# Altium PCB MB1635.PcbDoc (part 9 of 10)
Units mm, origin at the board's own origin, x right, y up, seen from the top; angles counter-clockwise.
Board outline 127 x 97 mm, 6 copper layers (Top Layer, Signal Layer 1, Signal Layer 2, Signal Layer 3, Signal Layer 4, Bottom Layer), stack 1.557 mm thick; 593 components, 478 nets, 2435 pads, 1743 vias.
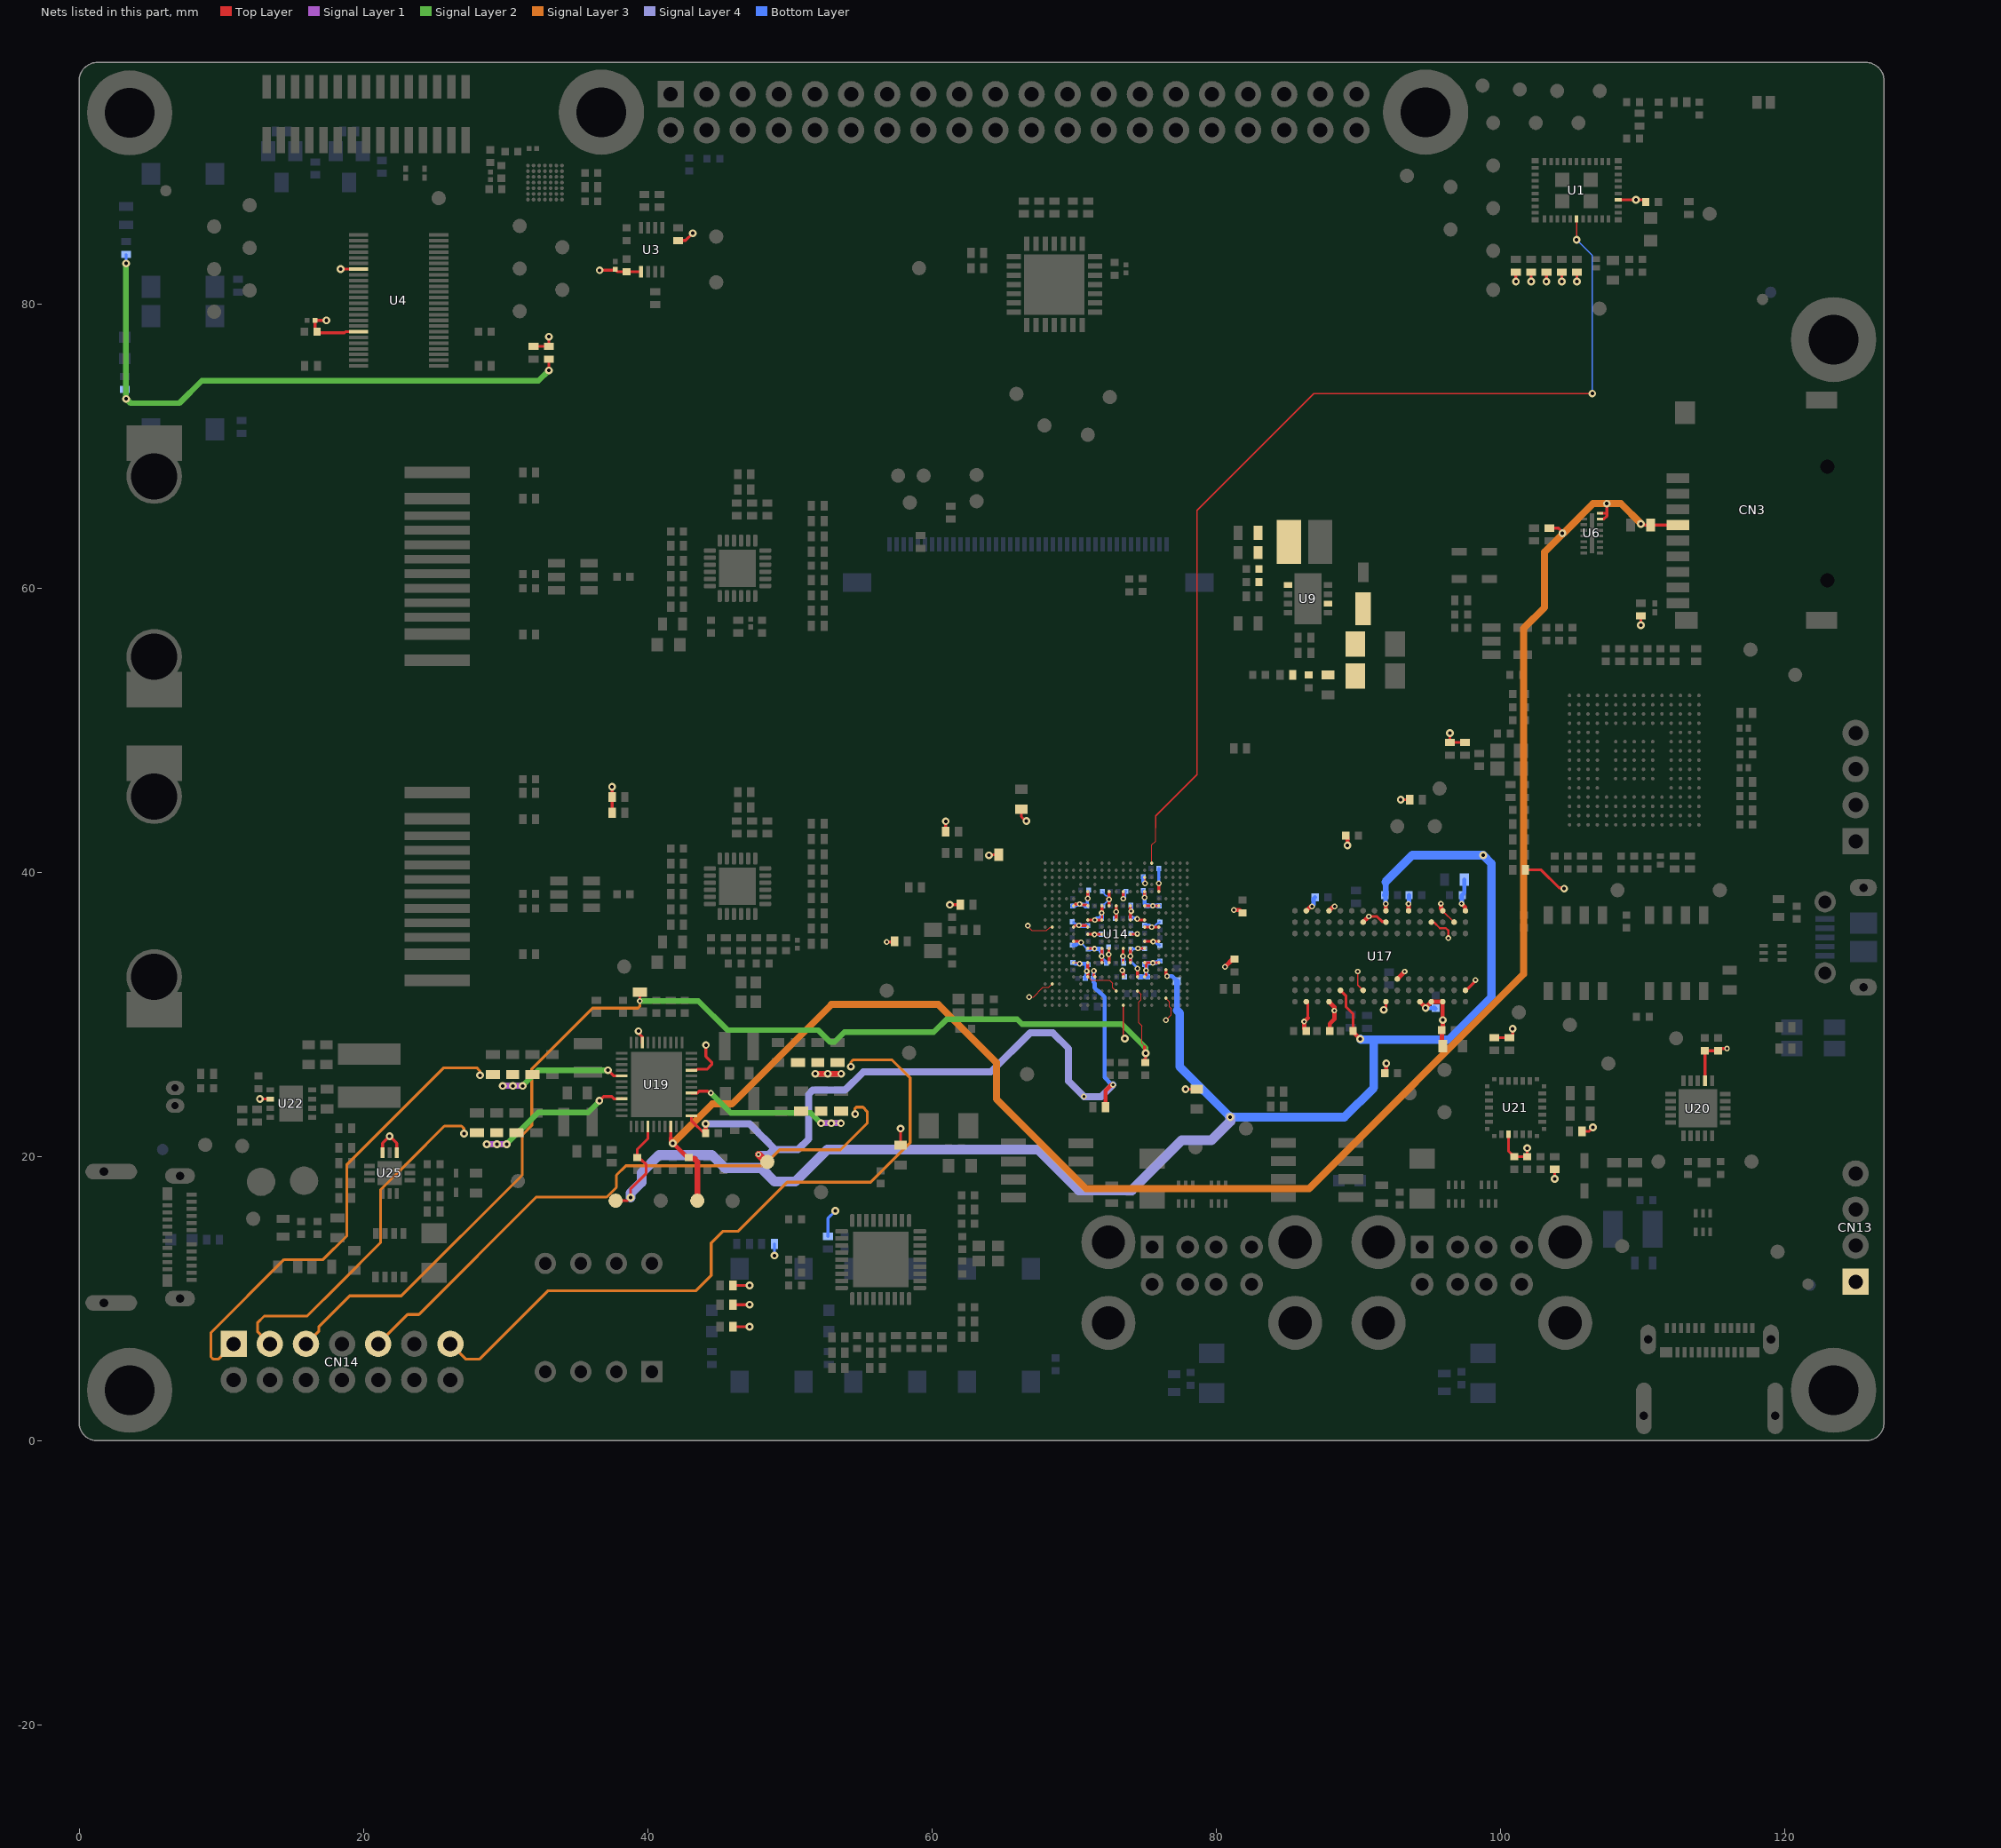
[diagram p13: the nets of this part, all layers, seen from the top]

## Via types
v1: diameter 0.55, hole 0.25, Top Layer to Bottom Layer, 1438 vias
v2: diameter 0.4, hole 0.2, Top Layer to Bottom Layer, 276 vias
v3: diameter 0.26, hole 0.1, Top Layer to Signal Layer 1, tented both sides, 29 vias

## Nets (pads, with @x,y where several pads share a name; then routed paths per layer and width w, separated by ;. In a path a pad name is that pad's centre, name@x,y a point inside that pad or via, vN(x,y) a via of type N, cw(c..) or ccw(c..) an arc to the next point about the centre after c; other vN are vias at no path point) (continued)
VDD: C15.2 C108.2 C109.2 C111.2 C138.2 C139.2 C171.2 C173.2 C176.2 C185.1 C190.2 C197.2 C201.2 C202.2 C205.2 C207.1 C208.2 C209.2 C215.1 CN13.1 CN14.13 R14.1 R15.1 R16.1 R17.1 R18.1 R21.2 R46.1 R62.2 R63.2 R71.2 R72.2 R75.2 R82.2 R94.2 R108.2 R120.2 R121.1 R123.2 R124.2 R141.2 R153.2 R154.2 R155.2 R172.2 R174.2 R180.2 R181.2 R187.2 R192.2 U1.36 U14.AA12 U14.C15 U14.E12 U14.E17 U14.G9 U14.G13 U14.J7 U14.J9 U14.J13 U14.K2 U14.M5 U14.N7 U14.N9 U14.N12 U14.R5 U14.R7 U14.R9 U14.R12 U14.U7 U14.V2 U14.W11 U14.Y18 U19.31 U19.42 U20.2 U21.3 U22.2 U25.10 U25.12 | length 171.5
  Top Layer w0.075: v2@66.75,36.2 67.046,35.904 68.079,35.904 68.302,36.127 68.452,36.127 U14.K2@68.475,36.15 ; v2(66.85,31.225) 67.15,31.225 67.825,31.9 68.225,31.9 U14.V2@68.475,32.15 ; U14.U7@70.975,32.65 71.224,32.401 72.512,32.401 72.727,32.187 72.727,32.186 72.728,32.184 72.728,31.897 U14.W11@72.975,31.65 ; v2(76.475,29.6) 76.85,29.975 76.85,30.425 76.725,30.55 76.725,30.899 U14.Y18@76.474,31.15
  Top Layer w0.09: v2@66.75,36.2 v2(66.75,36.25) ; U14.R5@69.975,33.65 70.002,33.623 70.405,33.623 70.449,33.58 70.444,33.575 v2(70.4,33.575) ; U14.AA12@73.475,30.65 73.475,28.45 v1@73.65,28.275 ; v1(73.575,28.3) v1@73.625,28.3 ; U14.C15@74.975,39.65 74.988,39.638 74.988,39.188 75,39.2 v2(75,39.225)
  Top Layer w0.175: U14.J7@70.975,36.65 v2(71.475,36.65) U14.J9@71.975,36.65 71.975,37.125 v2(71.95,37.15) ; U14.R12@73.475,33.65 73.45,33.675 v2(73.45,34.1) 73.45,34.625 U14.N12@73.475,34.65
  Top Layer w0.2: v1(12.725,24.05) U22.2@13.45,24.05 ; U25.12@21.345,20.264 21.345,20.939 v1(21.845,21.439) 22.345,20.939 U25.10@22.345,20.264 ; v1(33.05,75.325) R21.2@33.05,76.125 ; R75.2@37.5,44.2 R71.2@37.5,45.3 v1(37.5,46.025) ; v1(39.352,28.826) 39.419,28.759 39.419,28.634 39.625,28.428 U19.42@39.625,28.025 ; U19.31@43.075,26.075 43.403,26.075 43.408,26.07 43.489,26.15 43.529,26.15 43.53,26.151 44.201,26.151 44.517,26.467 44.517,26.633 44.102,27.048 v1(44.102,27.851) ; R153.2@46,8.025 v1(47.175,8.025) ; R154.2@46,9.575 v1(47.175,9.575) ; R155.2@46,10.925 v1(47.175,10.925) ; v2(56.825,35.1) 57.325,35.1 R108.2@57.375,35.15 ; R82.2@60.975,42.875 v1(60.975,43.6) ; v1(61.275,37.725) R192.2@62,37.725 ; U14.M5@69.975,35.15 69.979,35.146 70.375,35.146 70.446,35.075 v2(70.5,35.075) ; v2(70.9,33.05) 70.9,33.042 70.884,33.027 70.875,33.036 70.914,33.075 70.95,33.039 70.925,33.014 70.975,32.964 U14.U7@70.975,32.65 ; v2@70.925,33.136 70.975,33.186 U14.R7@70.975,33.65 ; U14.N7@70.975,34.65 71.425,34.65 v2(71.45,34.625) ; v2(71.95,37.15) 71.969,37.169 71.969,37.623 71.969,37.644 U14.G9@71.975,37.65 ; U14.R9@71.975,33.65 71.975,34.075 v2(71.95,34.1) 71.975,34.125 U14.N9@71.975,34.65 ; v2@73.475,38.148 U14.E12@73.475,38.65 ; U14.J13@73.975,36.65 73.975,37.178 74,37.203 v2@74,37.25 ; U14.G13@73.975,37.65 73.975,37.225 v2@74,37.25 ; v2(74.022,37.269) 74.02,37.269 v2@74,37.25 ; U14.E17@75.975,38.65 v2(75.975,39.225) ; v1(93,45.125) R72.2@93.625,45.125 ; v1(96.45,49.8) R62.2@96.45,49.15 R63.2@97.525,49.15 ; R120.2@99.575,28.375 R121.1@100.65,28.375 100.775,28.25 100.875,28.35 v1(100.875,29) ; U21.3@100.575,21.575 100.575,20.4 C138.2@100.975,20 C139.2@101.9,20 v1(101.9,20.6) ; v1(101.1,81.575) R14.1@101.1,82.25 ; R94.2@101.775,40.175 102.875,40.175 104.139,38.911 104.448,38.911 v1(104.5,38.858) ; v1(102.175,81.575) R15.1@102.175,82.25 ; v1(103.25,81.575) R16.1@103.25,82.25 ; v1(103.825,18.425) R141.2@103.825,19.1 ; v1(104.325,81.575) R17.1@104.325,82.25 ; v1(105.4,81.575) R18.1@105.4,82.25 ; R187.2@105.75,21.775 106.25,21.775 v1(106.525,22.05) ; U1.36@108.3,87.325 110.075,87.325 C15.2@110.225,87.175 ; v1(109.9,57.4) R46.1@109.9,58.05 ; U20.2@114.4,25.325 C108.2@114.4,27.45 C109.2@115.325,27.45 115.475,27.6 v2(115.95,27.6)
  Top Layer w0.4: v1(51.8,25.825) v1(52.675,25.825) v1(53.625,25.825)
  Signal Layer 1 w0.4: v1(51.8,25.825) v1(52.675,25.825) v1(53.625,25.825)
  Signal Layer 2 w0.4: v1(3.3,73.325) v1@3.3,73.343 ; v1(3.3,82.85) v1@3.3,73.343 ; v1@3.411,73.231 v1@3.305,73.338 ; v1(33.05,75.325) 32.325,74.6 8.625,74.6 7.05,73.025 3.618,73.025 v1@3.305,73.338 ; v1(51.8,25.825) v1(52.675,25.825) v1(53.625,25.825) ; v1@3.3,73.343 v1@3.305,73.338
  Signal Layer 3 w0.2: CN14.13@26.12,6.82 27.19,5.75 28.184,5.75 33.001,10.567 43.417,10.567 44.475,11.625 44.475,13.916 45.309,14.75 46.375,14.75 49.825,18.2 55.7,18.2 58.471,20.971 58.471,25.538 57.209,26.8 54.45,26.8 54.3,26.65 v1(54.3,26.325)
  Signal Layer 3 w0.4: v1(51.8,25.825) v1(52.675,25.825) v1(53.625,25.825)
  Signal Layer 4 w0.4: v1(51.8,25.825) v1(52.675,25.825) v1(53.625,25.825)
  Bottom Layer w0.09: C185.1@73.999,37.649 C185.1@74,37.65
  Bottom Layer w0.15: v2(70.5,35.075) 70.5,35.05 70.85,34.7 70.9,34.7 C201.2@71,34.6
  Bottom Layer w0.2: R174.2@3.205,73.988 3.3,73.893 v1(3.3,73.325) ; v1(3.3,82.85) 3.3,83.483 R172.2@3.305,83.488 ; v1(48.925,13.041) R181.2@48.925,13.85 ; R180.2@52.692,14.387 52.692,15.658 v1(53.209,16.175) ; v2@72.003,33.965 72.275,33.693 C209.2@72.275,33.6 ; C176.2@73.52,38.545 C176.2@73.65,38.675 ; v2(75.975,39.225) C171.2@75.975,40.275
  Bottom Layer w0.3: C207.1@69.975,33.675 70.075,33.575 v2(70.4,33.575) 70.916,33.575 70.92,33.58 C205.2@71,33.5 70.875,33.375 70.903,33.347 70.9,33.343 v2(70.9,33.05) 70.9,33.028 70.898,33.027 70.875,33.05 70.888,33.063 70.888,32.751 70.825,32.688 70.825,32.575 C215.1@70.8,32.55 ; C197.2@69.975,34.875 70,34.9 70.123,34.9 70.248,35.025 70.252,35.025 70.255,35.028 70.383,35.028 70.41,35.056 70.481,35.056 v2(70.5,35.075) ; C201.2@71,34.6 71.025,34.625 v2(71.45,34.625) 71.825,34.625 C202.2@71.9,34.55 71.95,34.5 v2(71.95,34.1) ; v2(71.475,36.65) 71.531,36.706 71.559,36.706 71.603,36.75 C190.2@71.925,36.75 71.95,36.775 v2(71.95,37.15) ; v2(73.45,34.1) 73.45,33.775 73.475,33.75 C208.2@73.525,33.7 ; v2@73.52,38.193 C176.2@73.52,38.545 ; C185.1@73.999,37.649 74.022,37.625 v2(74.022,37.269) ; C173.2@74.875,39.7 74.875,39.35 v2(75,39.225)
  other v1: 109.55,87.325
  other v2: 73.474,38.147
VDD_ADC: C132.2 C214.1 R133.2 TP66.1 U14.U8 U19.23 | length 53.7
  Top Layer w0.2: U19.23@43.075,22.875 43.075,22.55 C132.2@44.05,21.575 ; v2(71.4,33.075) 71.4,32.725 U14.U8@71.475,32.65
  Top Layer w0.3: C132.2@44.075,21.65 v1(44.075,22.3) ; R133.2@72.225,23.475 72.225,24.645 72.557,24.977 72.611,25.031 72.731,25.031 v2(72.75,25.05)
  Top Layer w0.5: v2(47.8,20.15) 48.325,19.625 TP66.1@48.425,19.625
  Signal Layer 4 w0.5: v1(44.075,22.3) 47.175,22.3 47.8,21.675 47.8,21.666 48.166,21.3 48.175,21.3 48.975,20.5 ; v2(47.8,20.15) 48.501,20.15 48.851,20.5 50.592,20.5 51.325,21.233 51.325,24.382 51.618,24.675 53.9,24.675 55.175,25.95 64.15,25.95 66.919,28.719 68.506,28.719 69.625,27.6 69.625,25.3 v2(70.7,24.225) 71.925,24.225 v2(72.75,25.05)
  Bottom Layer w0.3: v2(71.4,33.075) 71.375,33.05 71.375,32.575 C214.1@71.35,32.55 71.375,32.525 71.375,32.278 71.451,32.202 71.451,31.886 71.673,31.664 71.706,31.664 72.154,31.216 72.154,25.571 72.675,25.05 v2(72.75,25.05)
VDD_CORE: C124.2 C127.2 C133.2 C188.2 C189.2 C195.1 C196.2 C199.2 C200.2 C203.1 C213.2 CN14.9 R131.2 R132.2 U14.G11 U14.J11 U14.J15 U14.L7 U14.L9 U14.L13 U14.N10 U14.N13 U14.N15 U14.R10 U14.R13 U14.U12 U14.U14 U19.27 | length 73.4
  Top Layer w0.2: U19.27@43.075,24.475 43.504,24.475 43.63,24.601 44.224,24.601 44.312,24.513 44.412,24.513 v2(44.45,24.475) ; C133.2@57.8,20.8 v1(57.8,21.975) ; U14.L7@70.975,35.65 71.425,35.65 v2(71.45,35.625) 71.475,35.65 U14.L9@71.975,35.65 ; v2(72.45,34.225) 72.45,34.625 U14.N10@72.475,34.65 ; U14.R10@72.475,33.65 v2@72.475,34.225 ; U14.J11@72.975,36.65 72.975,37.149 v2(72.975,37.225) 72.975,37.198 U14.G11@72.975,37.65 ; U14.U12@73.475,32.65 73.475,32.875 v2@73.475,33.1 ; U14.R13@73.975,33.65 v2(73.975,34.1) ; U14.N13@73.975,34.65 v2@73.975,34.125 ; U14.L13@73.975,35.65 74.448,35.65 74.473,35.675 74.471,35.677 v2(74.454,35.677) ; v2(74.45,36.725) 74.525,36.65 U14.J15@74.974,36.65 ; U14.U14@74.475,32.65 v2@74.475,33.175 ; v2(74.5,34.65) U14.N15@74.975,34.65 ; v1(77.85,24.75) C124.2@78.65,24.75 ; v2(73.975,34.1) v2@73.975,34.125 ; v2(73.975,34.1) v2@73.975,34.125
  Signal Layer 1 w0.4: v1(52.2,22.35) v1(52.925,22.35) v1(53.6,22.35)
  Signal Layer 2 w0.4: v2(44.45,24.475) 45.849,23.076 51.474,23.076 v1(52.2,22.35) v1(52.925,22.35) v1(53.6,22.35)
  Signal Layer 3 w0.2: CN14.9@21.04,6.82 23.112,8.892 23.901,8.892 32.159,17.15 37.118,17.15 37.802,17.834 37.802,17.963 37.802,18.688 38.464,19.351 42.114,19.351 ; 42.115,19.35 48.159,19.35 49.284,20.475 53.584,20.475 55.45,22.341 55.45,23.175 55.15,23.475 54.692,23.475 54.575,23.358 54.575,23.025 v1(54.6,23)
  Signal Layer 3 w0.4: v1(52.2,22.35) v1(52.925,22.35) v1(53.6,22.35)
  Bottom Layer w0.2: v2(71.45,35.625) 71.675,35.625 71.7,35.65 C196.2@71.925,35.65 ; v2(72.45,34.225) 72.45,34.55 72.475,34.575 C203.1@72.45,34.6 ; C189.2@72.9,36.75 72.975,36.825 72.975,37.149 v2(72.975,37.225) ; v2@73.5,33.086 73.494,33.081 73.494,32.706 C213.2@73.55,32.65 ; C195.1@74,35.7 74.025,35.675 74.396,35.675 74.422,35.649 74.449,35.677 v2(74.454,35.677) 74.454,35.673 74.475,35.651 v2@74.461,35.637 ; C188.2@74,36.8 74.375,36.8 v2(74.45,36.725) ; v2@74.473,34.65 74.448,34.625 74.025,34.625 C200.2@74,34.6 73.975,34.575 v2(73.975,34.1) 73.994,34.081 73.994,33.938 74.025,33.907 74.025,33.712 74.425,33.312 74.425,33.302 74.475,33.252 v2(74.475,33.225) v2@74.475,33.2 ; v2@74.475,34.65 v2(74.5,34.65) 74.513,34.638 74.963,34.638 C199.2@74.975,34.625
  Bottom Layer w0.4: v1(52.2,22.35) v1(52.925,22.35) v1(53.6,22.35)
  other v2: 73.4,33.1
VDD_CPU: C66.2 C72.2 C115.2 C174.2 C177.1 C183.2 C186.2 C187.2 C191.1 C194.2 CN14.1 R126.2 R127.2 U14.E7 U14.E10 U14.G5 U14.G7 U14.G10 U14.K5 U14.K7 U19.5 | length 57.1
  Top Layer w0.2: v1(37.2,26.075) 37.225,26.075 37.625,25.675 U19.5@38.175,25.675 ; v1@64.15,41.25 C72.2@64.7,41.25 ; C66.2@66.3,44.45 66.3,43.925 66.625,43.6 v1@66.652,43.627 ; U14.K5@69.975,36.15 69.982,36.15 70.107,36.275 v2(70.35,36.275) 70.363,36.263 70.855,36.263 70.968,36.15 U14.K7@70.975,36.15 ; U14.G5@69.975,37.65 69.983,37.65 70.094,37.761 70.386,37.761 v2(70.4,37.775) ; v2@70.4,37.721 70.416,37.737 70.58,37.737 70.596,37.721 70.896,37.721 70.967,37.65 U14.G7@70.975,37.65 ; U14.E7@70.975,38.65 70.976,38.649 70.976,38.169 v2(70.977,38.168) ; U14.G10@72.475,37.675 v2(72.475,38.1) ; v2@72.475,38.125 U14.E10@72.475,38.65
  Signal Layer 1 w0.4: v1(29.8,24.975) v1(30.525,24.975) v1(31.2,24.975)
  Signal Layer 2 w0.4: v1(29.8,24.975) v1(30.525,24.975) v1(31.2,24.975) 32.3,26.075 v1(37.2,26.075)
  Signal Layer 3 w0.2: CN14.1@10.88,6.82 9.81,5.75 9.425,5.75 9.275,5.9 9.275,7.6 14.425,12.75 17.175,12.75 18.825,14.4 18.825,19.425 25.65,26.25 27.975,26.25 28.2,26.025 v1(28.2,25.725)
  Signal Layer 3 w0.4: v1(29.8,24.975) v1(30.525,24.975) v1(31.2,24.975)
  Bottom Layer w0.09: C186.2@72,37.625 v2(72.475,38.1)
  Bottom Layer w0.1: v2(70.35,36.275) 70.473,36.275 70.474,36.276 v2@70.441,36.276 ; C177.1@72,38.675 72.125,38.55 72.125,38.479 72.248,38.356 72.319,38.356 72.418,38.257 v2@72.418,38.157
  Bottom Layer w0.15: C191.1@69.975,36.525 69.975,36.425 70.075,36.425 70.177,36.323 70.394,36.323 v2@70.441,36.276
  Bottom Layer w0.2: C187.2@70.9,37.625 70.939,37.664 70.939,38.13 v2(70.977,38.168) 71.001,38.192 71.001,38.626 C174.2@71.025,38.65
  Bottom Layer w0.3: C183.2@69.9,37.625 69.925,37.65 70.038,37.65 70.113,37.725 v2@70.4,37.725 ; v2(70.4,37.775) 70.427,37.775 70.477,37.725 70.521,37.725 70.523,37.723 70.699,37.723 70.772,37.65 70.875,37.65 C187.2@70.9,37.625 ; v2@70.473,36.275 70.502,36.275 70.536,36.241 70.966,36.241 C194.2@70.975,36.25
  Bottom Layer w0.4: v1(29.8,24.975) v1(30.525,24.975) v1(31.2,24.975)
  other v1: 64.025,41.2 66.653,43.627
VDD_DDR: C70.2 C82.2 C94.2 C104.2 C105.2 C106.2 C112.2 C121.2 C128.2 C172.2 C175.2 C178.2 C179.2 C181.2 C182.2 C184.2 C192.2 C193.2 C198.2 C204.1 C206.2 C211.2 C212.2 C218.2 CN14.3 R137.2 R138.2 U14.E15 U14.G15 U14.G17 U14.K15 U14.K17 U14.M15 U14.M17 U14.R15 U14.R17 U14.U15 U17.A1 U17.A8 U17.B2 U17.C1 U17.C9 U17.D2 U17.D9 U17.E9 U17.F1 U17.G7 U17.H2 U17.H9 U17.K2 U17.K8 U17.N1 U17.N9 U17.R1 U17.R9 U19.9 | length 80.3
  Top Layer w0.09: v2(89.975,33.025) 89.975,32.075 U17.K8@90.35,31.7
  Top Layer w0.1: U17.H2@91.905,36.535 U17.H2@91.945,36.495 ; U17.C1@95.945,37.295 U17.B2@96.745,36.495
  Top Layer w0.125: U17.R9@86.35,30.9 U17.R9@86.463,30.787
  Top Layer w0.15: U17.D2@95.145,36.495 95.325,36.495 95.75,36.07 96.17,36.07 96.35,35.89 v2(96.35,35.375)
  Top Layer w0.175: 86.463,29.763 U17.R9@86.463,30.787
  Top Layer w0.2: v1(36.6,23.925) 36.901,24.226 37.473,24.226 37.648,24.051 38.151,24.051 U19.9@38.175,24.075 ; U14.U15@74.974,32.65 75.075,32.75 v2(75.075,33.1) 75.075,33.55 74.975,33.65 75.525,33.65 v2(75.55,33.625) 75.575,33.65 U14.R17@75.974,33.65 ; U14.M15@74.975,35.15 U14.M17@75.975,35.15 ; U14.K15@74.975,36.15 74.982,36.157 75.468,36.157 v2(75.475,36.15) ; U14.G15@74.975,37.65 v2(75.55,37.65) 75.556,37.656 75.948,37.656 75.969,37.656 U14.G17@75.975,37.65 ; v2(74.975,38.225) U14.E15@74.975,38.65 ; v2@75.404,36.15 v2(75.475,36.15) ; U14.K17@75.974,36.15 v2(75.475,36.15) ; v2(90.75,36.9) 91.325,36.9 91.69,36.535 U17.H2@91.905,36.535 ; v1@91.775,30.3 v1(91.8,30.325) 91.95,30.475 U17.H9@91.95,30.9 ; U17.A8@97.55,31.7 97.6,31.7 98.212,32.312 98.212,32.386 v2(98.25,32.425)
  Top Layer w0.3: v2(80.625,33.35) 81.175,33.9 C94.2@81.3,33.9 ; v2(81.25,37.35) 81.65,37.35 C82.2@81.85,37.15 ; C105.2@86.35,28.85 86.2,29 v2(86.2,29.5) 86.463,29.763 ; U17.R1@86.35,37.3 86.631,37.581 86.731,37.581 v2(86.75,37.6) ; U17.N9@87.95,30.9 88.325,30.525 v2(88.325,30.275) 88.325,29.675 88,29.35 C106.2@88,28.85 ; U17.N1@87.95,37.3 88.231,37.581 88.331,37.581 v2(88.35,37.6) ; C70.2@89.125,42.575 89.25,42.45 v1(89.25,41.9) ; U17.K2@90.345,36.495 v2@90.719,36.869 ; C121.2@91.875,25.875 91.975,25.975 91.975,26.525 v1@91.95,26.55 ; U17.G7@92.745,32.495 v2(93.275,33.025) ; v2(93.545,37.795) 93.545,37.305 U17.F1@93.55,37.3 ; U17.E9@94.345,30.895 v1@94.745,30.495 ; v1@94.745,30.495 U17.D9@95.15,30.9 U17.C9@95.95,30.9 95.945,30.895 95.945,29.575 95.955,29.565 95.955,28.925 C104.2@95.895,28.865 ; v2(95.825,37.8) 95.825,37.452 95.945,37.332 U17.C1@95.945,37.295 ; C104.2@95.895,28.895 C104.2@95.895,28.865 ; C112.2@95.945,27.845 95.895,27.895 C104.2@95.895,28.865 ; v2(97.275,37.8) 97.531,37.544 97.531,37.319 U17.A1@97.55,37.3
  Signal Layer 1 w0.4: v1(28.675,20.875) v1(29.4,20.875) v1(30.075,20.875)
  Signal Layer 2 w0.4: v1(28.675,20.875) v1(29.4,20.875) v1(30.075,20.875) 32.3,23.1 35.825,23.1 36.6,23.875 v1(36.6,23.925)
  Signal Layer 3 w0.2: CN14.3@13.42,6.82 12.55,7.69 12.55,8.3 13.025,8.775 16.041,8.775 18.35,11.084 21.2,13.934 21.2,15.334 21.2,17.65 23.15,19.6 25.7,22.15 26.9,22.15 27.075,21.975 v1(27.075,21.625)
  Signal Layer 3 w0.4: v1(28.675,20.875) v1(29.4,20.875) v1(30.075,20.875)
  Bottom Layer w0.15: C193.2@74.975,36.275 C193.2@75,36.25 ; v2@75.394,36.169 75.456,36.169 v2(75.475,36.15) 75.523,36.198 75.648,36.198 75.85,36.4 75.925,36.4 C192.2@76.025,36.5
  Bottom Layer w0.175: 74.925,32.65 74.975,32.7 ; C204.1@74.975,33.525 C204.1@74.975,33.625
  Bottom Layer w0.2: v2@75.575,35.1 75.588,35.087 75.734,35.087 75.895,34.925 75.975,34.925 C198.2@76.025,34.875
  Bottom Layer w0.3: C212.2@74.65,32.65 74.925,32.65 C211.2@75.2,32.65 ; C175.2@74.875,38.675 74.975,38.575 v2(74.975,38.225) 74.975,37.8 C184.2@75.1,37.675 75.125,37.65 v2(75.55,37.65) 75.57,37.655 cw(c75.628,37.36) 75.629,37.66 75.921,37.66 cw(c75.922,37.36) 75.984,37.654 C182.2@75.999,37.651 ; 74.975,32.7 75.075,32.8 v2(75.075,33.1) 75.075,33.425 C204.1@74.975,33.525 ; C204.1@75,33.625 v2(75.55,33.625) 75.569,33.644 75.84,33.644 75.921,33.725 76.025,33.725 C206.2@76.05,33.75 ; C193.2@75,36.25 75.314,36.25 v2@75.394,36.169 ; v2(86.75,37.6) 86.75,37.627 86.87,37.747 86.87,38.145 C181.2@86.975,38.25 ; v2(93.545,37.795) 93.575,37.825 C179.2@93.575,38.4 ; v1(94.75,30.45) 95.24,30.45 95.265,30.425 95.335,30.495 C218.2@95.425,30.405 ; v2(97.275,37.8) 97.294,37.819 97.294,38.369 97.475,38.55 C172.2@97.475,39.5
  Bottom Layer w0.4: v1(28.675,20.875) v1(29.4,20.875) v1(30.075,20.875)
  other v1: 91.975,26.55 95.95,29.605
  other v2: 75.575,35.125
VDD_LS: C16.2 C17.2 C24.2 C25.2 R6.2 R20.1 R21.1 U3.1 U4.7 U4.18 | length 12.5
  Top Layer w0.2: v1(17.4,78.85) C24.2@16.6,78.85 16.6,78.2 16.825,77.975 18.672,77.975 18.747,78.05 U4.18@19.725,78.05 ; v1(18.4,82.45) U4.7@19.65,82.45 ; U4.18@19.1,78.05 U4.18@19.65,78.05 ; R20.1@31.975,77.025 R21.1@33.05,77.025 v1(33.05,77.7) ; v1(36.625,82.375) 37.65,82.375 C17.2@37.715,82.44 37.89,82.265 C16.2@38.515,82.265 U3.1@39.54,82.265 ; R6.2@42.14,84.465 42.148,84.473 42.673,84.473 v1(43.175,84.975)
VDD_SD: C27.2 C144.2 CN3.4 R34.2 TP71.1 U6.15 U6.16 U19.20 | length 128
  Top Layer w0.2: 41.625,21.3 U19.20@41.625,22.125 ; R34.2@103.45,64.225 104.1,64.225 v1@104.45,63.875 ; U6.15@107.025,64.875 107.294,64.875 107.5,65.081 107.5,65.3 ; U6.16@107.025,65.275 107.475,65.275 107.5,65.3 ; v1(107.5,65.95) 107.5,65.3 ; v1@110,64.45 C27.2@110.575,64.45 CN3.4@112.5,64.45
  Top Layer w0.3: 41.625,21.3 41.625,21.095 41.785,20.935 42.69,20.03 42.795,20.03 C144.2@42.9,19.925
  Top Layer w0.4: C144.2@42.925,19.925 42.98,19.87 43.266,19.87 43.5,19.636 TP71.1@43.5,16.9
  Signal Layer 3 w0.5: v1(41.775,20.925) 44.55,23.7 45.937,23.7 52.938,30.701 60.458,30.701 64.554,26.605 64.554,24.046 70.849,17.751 86.551,17.751 101.65,32.85 101.65,57.175 103.125,58.65 103.125,62.545 104.365,63.786 104.365,63.865 v1(104.375,63.875) 104.45,63.875 106.525,65.95 v1(107.5,65.95) 108.5,65.95 109.9,64.55 v1(109.9,64.525)
VDD_USB: C119.2 CN14.5 R113.2 U14.W14 | length 82.4
  Top Layer w0.075: U14.W14@74.475,31.65 74.721,31.404 74.721,31.048 74.559,30.886 74.559,29.406 74.775,29.19 74.775,27.975 74.95,27.8
  Top Layer w0.2: v2(39.45,30.95) R113.2@39.45,31.575 R113.2@39.45,31.6 ; 74.975,27.725 74.975,27.475 74.95,27.45 75.05,27.35 v1(75.05,27.275) 75.05,26.925 74.95,26.825 C119.2@75.15,26.625
  Signal Layer 2 w0.4: v2(39.45,30.95) 43.575,30.95 45.625,28.9 52,28.9 52.834,28.066 53.166,28.066 53.856,28.756 60.131,28.756 61.05,29.675 66,29.675 66.356,29.319 73.386,29.319 74.169,28.536 74.95,27.755 74.95,27.725 75.05,27.625 v1(75.05,27.275)
  Signal Layer 3 w0.2: CN14.5@16.113,6.973 16.875,7.735 16.875,8.041 19.034,10.2 22.675,10.2 31.175,18.7 31.175,21.516 31.85,22.191 31.85,26.166 36.135,30.45 39.333,30.45 39.45,30.568 v2(39.45,30.95)
VH: C45.2 C51.2 C52.2 C56.2 D2.2 R60.1 U9.6
VL: C29.1 C31.2 C34.2 L3.1 R35.2 U9.1
VREF_DDR: C107.1 C141.2 C180.1 C210.1 TP69.1 U14.T18 U17.H1 U17.M8 U19.16 | length 117.8
  Top Layer w0.15: C107.1@89.65,28.75 C107.1@89.65,28.85
  Top Layer w0.175: v2@76.475,32.836 76.55,32.761 v2(76.55,32.7)
  Top Layer w0.2: TP69.1@37.75,16.9 38.57,16.9 v1@38.8,17.13 ; v1(38.8,17.125) v1@38.8,17.13 ; U19.16@40.025,22.125 40.025,21.275 39.275,20.525 C141.2@39.275,19.925 39.43,19.77 39.571,19.77 39.9,19.441 39.9,18.832 38.8,17.732 38.8,17.134 v1@38.8,17.13 ; v2@76.475,32.836 U14.T18@76.475,33.15 ; U17.M8@88.75,31.7 89.15,31.3 89.15,30.525 89.65,30.025 C107.1@89.65,28.85
  Top Layer w0.3: C107.1@89.65,28.75 v1@90.175,28.225 ; U17.H1@91.945,37.26 v2@91.945,37.775
  Signal Layer 4 w0.7: v1(38.8,17.125) 38.8,17.424 39.578,18.202 39.578,18.874 40.814,20.11 44.523,20.11 45.433,19.2 47.975,19.2 48.925,18.25 50.4,18.25 52.65,20.5 52.783,20.5 67.477,20.5 70.352,17.625 74.059,17.625 77.583,21.149 79.674,21.149 81,22.475 v1(81,22.775)
  Bottom Layer w0.3: v2(76.55,32.7) 76.9,32.7 C210.1@77.25,32.35 ; C180.1@91.875,38.4 91.926,38.349 91.926,37.814 v2(91.945,37.795)
  Bottom Layer w0.4: 77.25,30.3 C210.1@77.25,32.35 ; C180.1@91.875,38.4 91.928,38.453 91.928,39.329
  Bottom Layer w0.6: 77.25,30.3 77.435,30.115 77.435,26.34 v1(81,22.775) 89.025,22.775 91.1,24.85 91.1,28.225 ; v1(90.15,28.275) 90.2,28.225 91.1,28.225 ; 91.928,39.329 93.809,41.21 v1(98.795,41.21) 99.375,40.63 99.375,31.2 96.4,28.225 91.1,28.225